# Altium PCB PCB2.PcbDoc (continued)
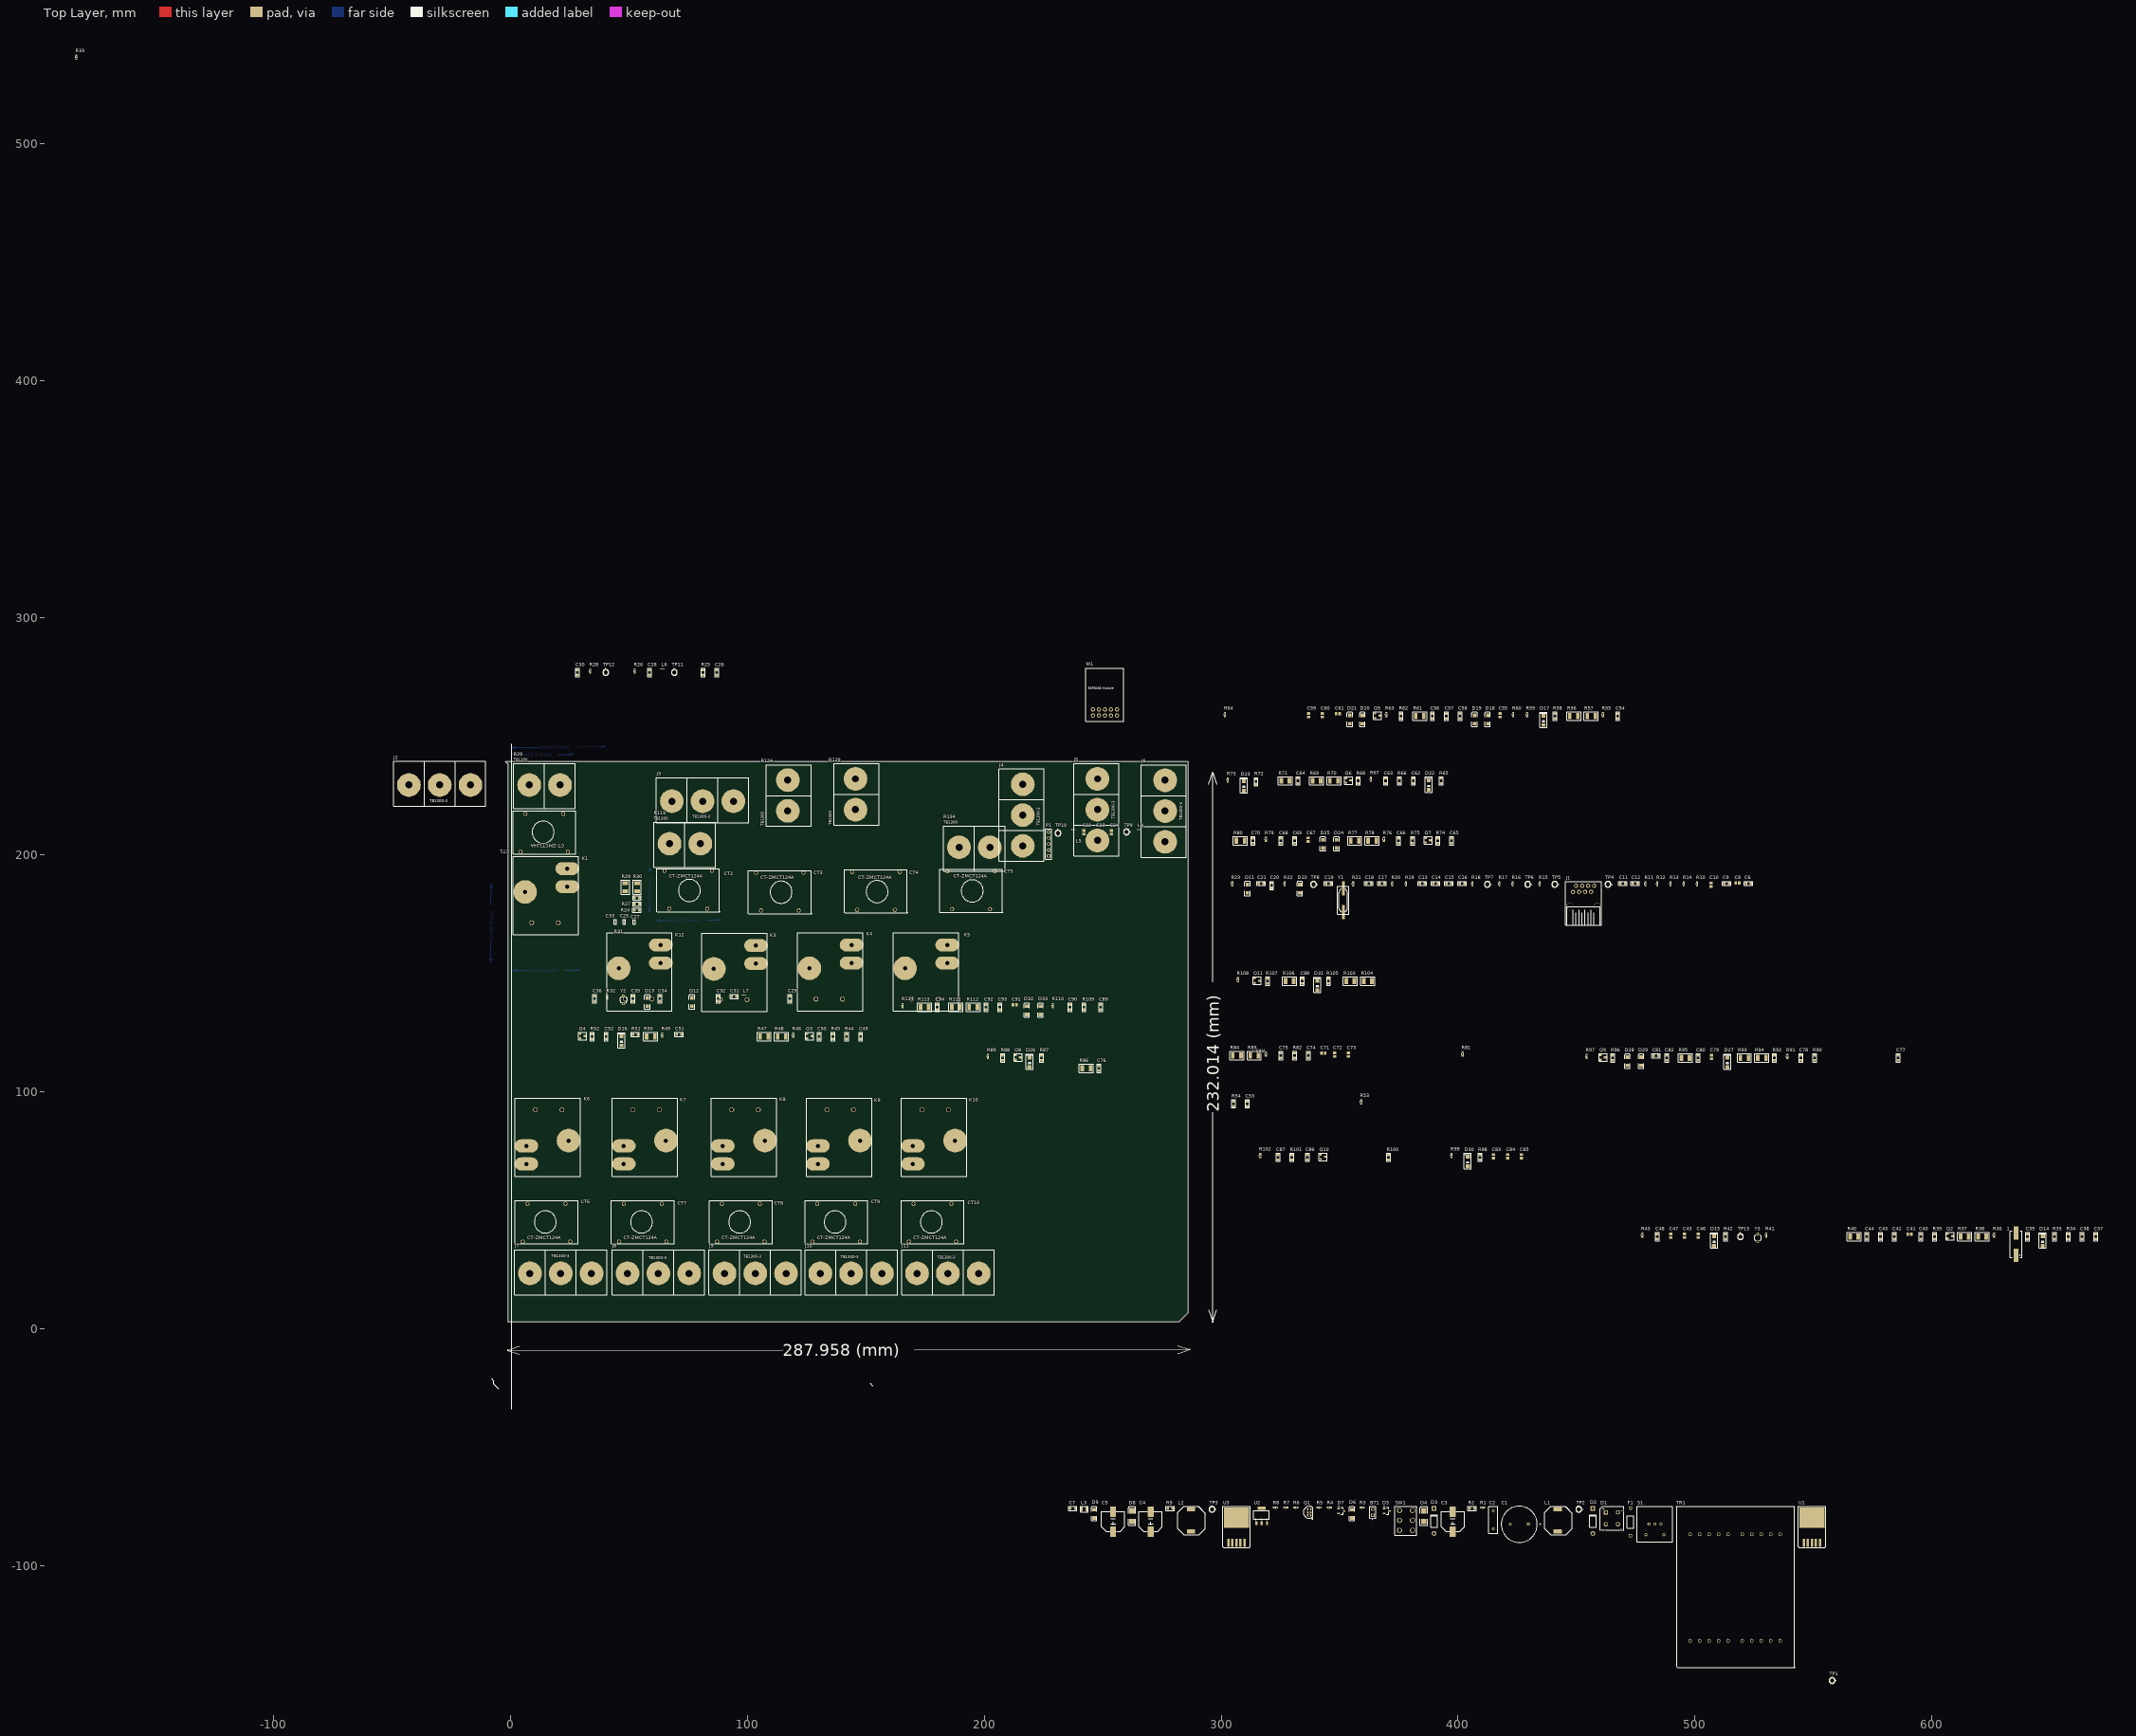
[diagram p0: Top Layer view]
## Components (designator, comment, footprint, x,y, rotation, side; value= is the part's Value field where it differs from the comment) (continued)
R26 "220" J1-0603 52.451,277.622 r90 top
R27 "1K" 0805C-GENERIC 54.229,179.197 r180 top
R28 "1K" J1-0603 33.655,277.622 r90 top
R29 "Comment" TB-1300-0-C 7.955,229.489 r0 top
R29 "453K/1%/ .5W" 1210R-GENERIC 48.514,184.658 r90 top
R30 "45.3K /1%/.5W" 1210C-GENERIC 53.467,184.658 r90 top
R31 "665/.1%/.5W" 0805C-GENERIC 52.705,181.864 r0 top
R32 "1M" J1-0603 40.894,139.954 r90 top
R33 "1K" J1-0603 -183.261,536.702 r90 top
R34 "18.75" 0805R-10 657.606,38.1 r90 top
R35 "470" 0805R-39 651.764,38.1 r90 top
R36 "1K" J1-0603 626.237,39.497 r90 top
R37 "453K/1%/ .5W" 1210R-GENERIC 612.14,38.862 r0 top
R38 "45.3K /1%/.5W" 1210C-GENERIC 619.506,38.862 r0 top
R39 "2K" 0805R-180 601.218,38.1 r90 top
R40 "665/.1%/.5W" 1210C-GENERIC 565.531,38.862 r0 top
R41 "1M" J1-0603 530.098,39.497 r90 top
R42 "470" 0805R-39 512.953,38.1 r90 top
R43 "1K" J1-0603 477.774,39.497 r90 top
R44 "18.75" 0805R-10 141.986,122.555 r90 top
R45 "2K" 0805R-180 136.144,122.555 r90 top
R46 "1K" J1-0603 119.38,123.952 r90 top
R47 "453K/1%/ .5W" 1210R-GENERIC 105.41,123.317 r0 top
R48 "45.3K /1%/.5W" 1210C-GENERIC 112.776,123.317 r0 top
R49 "10k" J1-0603 64.135,123.952 r90 top
R50 "665/.1%/.5W" 1210C-GENERIC 57.531,123.317 r0 top
R51 "470" 0805R-39 51.943,124.206 r0 top
R52 "2K" 0805R-180 34.544,122.555 r90 top
R53 "1K" J1-0603 359.156,95.631 r90 top
R54 "18.75" 0805R-10 305.181,94.234 r90 top
R55 "1K" J1-0603 461.137,259.207 r90 top
R56 "453K/1%/ .5W" 1210R-GENERIC 447.167,258.572 r0 top
R57 "45.3K /1%/.5W" 1210C-GENERIC 454.533,258.572 r0 top
R58 "470" 0805R-39 440.944,257.81 r90 top
R59 "220" J1-0603 429.133,259.207 r90 top
R60 "220" J1-0603 423.291,259.207 r90 top
R61 "665/.1%/.5W" 1210C-GENERIC 382.143,258.572 r0 top
R62 "2K" 0805R-180 375.92,257.81 r90 top
R63 "220" J1-0603 369.697,259.207 r90 top
R64 "1K" J1-0603 301.625,259.207 r90 top
R65 "470" 0805R-39 392.811,230.505 r90 top
R66 "18.75" 0805R-10 375.285,230.505 r90 top
R67 "1K" J1-0603 363.22,231.902 r90 top
R68 "2K" 0805R-180 357.759,230.505 r90 top
R69 "453K/1%/ .5W" 1210R-GENERIC 338.582,231.267 r0 top
R70 "45.3K /1%/.5W" 1210C-GENERIC 345.948,231.267 r0 top
R71 "665/.1%/.5W" 1210C-GENERIC 325.374,231.267 r0 top
R72 "470" 0805R-39 314.706,230.124 r90 top
R73 "1K" J1-0603 302.768,231.521 r90 top
R74 "2K" 0805R-180 391.414,205.232 r90 top
R75 "18.75" 0805R-10 380.746,205.232 r90 top
R76 "1K" J1-0603 368.681,206.629 r90 top
R77 "453K/1%/ .5W" 1210R-GENERIC 354.711,205.994 r0 top
R78 "45.3K /1%/.5W" 1210C-GENERIC 362.077,205.994 r0 top
R79 "220" J1-0603 318.897,206.629 r90 top
R80 "665/.1%/.5W" 1210C-GENERIC 306.451,205.994 r0 top
R81 "1K" J1-0603 401.955,115.951 r90 top
R82 "18.75" 0805R-10 330.962,114.554 r90 top
R83 "1K" J1-0603 318.897,115.951 r90 top
R84 "453K/1%/ .5W" 1210R-GENERIC 304.927,115.316 r0 top
R85 "45.3K /1%/.5W" 1210C-GENERIC 312.293,115.316 r0 top
R86 "665/.1%/.5W" 1210C-GENERIC 241.427,109.855 r0 top
R87 "470" 0805R-39 224.155,113.538 r90 top
R88 "2K" 0805R-180 207.772,113.538 r90 top
R89 "1K" J1-0603 201.549,114.935 r90 top
R90 "18.75" 0805R-10 550.545,113.538 r90 top
R91 "1K" J1-0603 538.988,114.935 r90 top
R92 "470" 0805R-39 533.527,113.538 r90 top
R93 "453K/1%/ .5W" 1210R-GENERIC 519.176,114.3 r0 top
R94 "45.3K /1%/.5W" 1210C-GENERIC 526.542,114.3 r0 top
R95 "665/.1%/.5W" 1210C-GENERIC 494.284,114.3 r0 top
R96 "2K" 0805R-180 465.201,113.538 r90 top
R97 "220" J1-0603 454.279,114.935 r90 top
R98 "470" 0805R-39 409.321,71.628 r90 top
R99 "1K" J1-0603 397.256,73.025 r90 top
R100 "2K" 0805R-180 370.713,71.628 r90 top
R101 "18.75" 0805R-10 329.819,71.628 r90 top
R102 "1K" J1-0603 316.484,73.025 r90 top
R103 "453K/1%/ .5W" 1210R-GENERIC 352.806,146.685 r0 top
R104 "45.3K /1%/.5W" 1210C-GENERIC 360.172,146.685 r0 top
R105 "470" 0805R-39 345.313,145.923 r90 top
R106 "665/.1%/.5W" 1210C-GENERIC 327.152,146.685 r0 top
R107 "2K" 0805R-180 319.659,145.923 r90 top
R108 "1K" J1-0603 307.086,147.32 r90 top
R109 "18.75" 0805R-10 242.069,135.017 r90 top
R110 "1K" J1-0603 228.988,136.414 r90 top
R111 "453K/1%/ .5W" 1210R-GENERIC 186.316,135.779 r0 top
R112 "45.3K /1%/.5W" 1210C-GENERIC 193.682,135.779 r0 top
R113 "665/.1%/.5W" 1210C-GENERIC 173.108,135.779 r0 top
R114 "220" J1-0603 165.488,136.414 r90 top
R119 "Comment" TB-1300-0-C 67.183,204.724 r0 top
R124 "Comment" TB-1300-0-C 117.094,218.567 r90 top
R129 "Comment" TB-1300-0-C 145.669,219.075 r90 top
R134 "Comment" TB-1300-0-C 189.357,203.2 r0 top
S1 "WS-PBTL" 465RG11172501 483.108,-82.423 r0 top
SW1 "Tr-Switch" "Switch 220/110" 375.285,-85.09 r90 top
TP1 "TESTPOINT" TESTPOINT 557.911,-148.463 r0 top
TP2 "TESTPOINT" TESTPOINT 450.977,-76.2 r0 top
TP3 "TESTPOINT" TESTPOINT 296.164,-76.2 r0 top
TP4 "TESTPOINT" TESTPOINT 463.296,187.579 r0 top
TP5 "TESTPOINT" TESTPOINT 440.817,187.579 r0 top
TP6 "TESTPOINT" TESTPOINT 429.387,187.579 r0 top
TP7 "TESTPOINT" TESTPOINT 412.369,187.579 r0 top
TP8 "TESTPOINT" TESTPOINT 338.963,187.579 r0 top
TP9 "TESTPOINT" TESTPOINT 260.096,209.677 r0 top
TP10 "TESTPOINT" TESTPOINT 231.14,209.169 r90 top
TP11 "TESTPOINT" TESTPOINT 69.215,276.987 r90 top
TP12 "TESTPOINT" TESTPOINT 40.259,276.987 r90 top
TP13 "TESTPOINT" TESTPOINT 519.176,38.862 r90 top
TR1 "PU3923B-Tr220-12-2.5A" Transform220/110-12/3 497.967,-86.741 r0 top
U1 "LM2575" TO-263/KTT 549.402,-79.756 r0 top
U2 "LT3092" LT3092 314.833,-82.042 r0 top
U3 "LM2576HV" TO-263/KTT 306.451,-79.756 r0 top
Y1 "25 MHz" XTAL-RU49/4 351.536,175.895 r90 top
Y2 "8Mhz" R38 47.752,138.811 r0 top
Y3 "16Mhz" R38 526.542,38.354 r0 top

## Footprints (in the part's own frame and the unit in brackets; to place one, negate y for a bottom-side part, rotate by r counter-clockwise, add the part's x,y. Pads: shape width x height; smd on the part's side, far side on the other; paste and mask are expansions set on the pad)
3.2X1.6X1.1 [mm] "SMT LED; 2 Flat Leads"
  rect 1.5x1.5 smd: 1(-1.75,0) 2(1.75,0)
  silkscreen extent -2.9,-1.15 3.2,1.15
0402C-GENERIC [mil]
  rect 25x20 smd: 1(0,0) 2(40,0)
  silkscreen extent -21,-19 61,19
0402R-GENERIC [mil]
  rect 25x20 smd: 1(0,0) 2(40,0)
  silkscreen extent -21,-19 61,19, body extent -6,-10 46,10, height 14
465RG11172501 [mm] "Pushbutton Switch illuminated"
  round 1.3 hole 0.8: 1(-3.81,-4.5) 2(3.81,-4.5)
  round 1.3 hole 0.7: L1(-2.54,0) L2(2.54,0) LC(0,0)
  round 0 hole 1.3 unplated: ""(-6.35,-6.35) ""(-6.35,6.35) ""(6.35,-6.35) ""(6.35,6.35)
  silkscreen extent -7.5,-7.5 7.5,7.5, body extent -7.5,-7.5 7.5,7.5, height 19.6
0603 [mm] "Chip Inductor, Body 0.6x0.3mm, IPC High Density"
  rect 0.5x0.3 smd: 1(-0.35,0) 2(0.35,0)
  silkscreen extent -0.9,-0.05 -0.9,0.05, body extent -0.33,-0.18 0.33,0.18, height 0.55
0805C-GENERIC [mil] "CAPACITOR 0805"
  rect 40x50 smd: 1(-10,0) 2(70,0)
  silkscreen extent -40,-35 100,35, body extent -11,-25 70,25, height 26
0805C-TBD [mil] "CAPACITOR 0805"
  rect 40x50 smd: 1(-10,0) 2(70,0)
  silkscreen extent -40,-35 100,35, body extent -11,-25 70,25, height 26
0805R-10 [mil] "RESISTOR 0805"
  rect 40x50 smd: 1(-10,0) 2(70,0)
  silkscreen extent -40,-35 100,35, body extent -11,-25 70,25, height 27
0805R-39 [mil] "RESISTOR 0805"
  rect 40x50 smd: 1(-10,0) 2(70,0)
  silkscreen extent -40,-35 100,35, body extent -11,-25 70,25, height 27
0805R-68 [mil] "RESISTOR 0805"
  rect 40x50 smd: 1(-10,0) 2(70,0)
  silkscreen extent -40,-35 100,35, body extent -11,-25 70,25, height 27
0805R-180 [mil] "RESISTOR 0805"
  rect 40x50 smd: 1(-10,0) 2(70,0)
  silkscreen extent -40,-35 100,35, body extent -11,-25 70,25, height 27
1210C-GENERIC [mil]
  rect 60x100 smd: 1(0,0) 2(135,0)
  silkscreen extent -50,-70 185,70, body extent -10,-50 145,50, height 46
1210R-GENERIC [mil]
  rect 60x100 smd: 1(0,0) 2(135,0)
  silkscreen extent -50,-70 185,70
BAT-2 [mm] "Battery; 2 Leads"
  rect 1.5x1.5 hole 0.9: 1(-1.27,0)
  round 1.5 hole 0.9: 2(1.27,0)
  silkscreen extent -2.54,-1.27 2.54,1.27
C0805 [mm] "Chip Capacitor, Body 2.0x1.3mm, IPC High Density"
  rect 1.1x1.4 smd: 1(-0.75,0) 2(0.75,0)
  body extent -1.1,-0.72 1.1,0.72, height 1.4
CT-ZMCT124 [mm] "current transformer"
  round 1.7 hole 1.2: 1(0,0) 2(16,0) 3(-2,-16) 4(18,-16)
  silkscreen extent -5.38,-16.9 21.28,1.32
D-38 [mm] "Bridge Rectifier; 4 Terminals; Body 9.4 x 9.4 mm (typ); Pitch 5.08 mm"
  rect 1.8x1.8 hole 1.2: 1(-2.54,2.54)
  round 1.8 hole 1.2: 2(-2.54,-2.54) 3(2.54,-2.54) 4(2.54,2.54)
  silkscreen extent -5,-5 5,5, body extent -5,-5 5,5, height 9.91
DO-41 [mm] "Diode, Axial; Body 5.2 x 2.7 mm (LxDia. max), Lead Dia. 0.86 mm (max)"
  round 2 hole 1.2: 1(-5.23,0)
  rect 2x2 hole 1.2: 2(5.23,0)
  silkscreen extent -2.65,-1.4 2.75,1.4
DO-214AC [mm] "SMD 1N4001"
  rect 1.55x1.67 smd: 1(0,0) 2(3.925,-0.025)
  silkscreen extent -1,-1.5 5.5,1.5
ESP_1 [mil]
  round 70 hole 40: 1(0,0) 2(100,0) 3(200,0) 4(300,0) 5(400,0) 6(0,100) 7(100,100) 8(200,100) 9(300,100) 10(400,100)
  silkscreen extent -118,-98 512,787
HC49/4H_SMX [mm] "Quartz Crystal, SM; Body 13.4 (inc. leads) x 4.9 mm (LxW max)"
  rect 5.5x2 smd: 1(-4.75,0) 2(4.75,0)
  silkscreen extent -5.7,-2.45 5.7,2.45
HDR1X5 [mm] "Connector; Header; 5 Position"
  rect 1.5x1.5 hole 0.9: 1(0,0)
  round 1.5 hole 0.9: 2(2.54,0) 3(5.08,0) 4(7.62,0) 5(10.16,0)
  silkscreen extent -1.27,-1.27 11.43,1.27
J1-0603 [mm] "Chip Resistor, Body 1.6x0.8mm, IPC High Density"
  rect 0.7x0.9 smd: 1(-0.75,0) 2(0.75,0)
  silkscreen extent -0.2,-0.35 0.2,0.35, body extent -0.85,-0.48 0.85,0.48, height 0.9
JQX-16f [mm] "power relay"
  round 10 hole 1.8: 1(14,-13)
  oval 10x5.5 hole 1.8: 2(-3.8,-22.84) 3(-3.8,-15.24)
  round 2 hole 1.5: 4(11.2,0) 5(0,0)
  silkscreen extent -8.6,-28 19,5
LT3092 [mil]
  rect 39x59 all layers, no hole: 1(0,0) 2(90,0) 3(180,0)
  rect 129x59 all layers, no hole: 4(90,248)
  silkscreen extent -43,47 213,205
PIN-W2/E2.8 [mm] "Thru-Hole; 2 Leads"
  rect 1.5x1.5 hole 0.9: 1(-5.825,0)
  round 1.5 hole 0.9: 2(5.825,0)
  silkscreen extent -2.65,-1.4 2.65,1.4
PolCap1010 [mm] "Pol Cap 10x10x10"
  rect 2.5x4.4 smd: 1(0,-8.4) 2(0,0)
  silkscreen extent -4.9,-8.3 4.9,0
PowerInductor [mm]
  rect 3.56x1.78 all layers, no hole: 1(0,0) 2(0,9.4)
  silkscreen extent -5.6,-1.4 6.1,10.6
R38 [mm] "Crystal, Thru-Hole; 2 Leads; Body 3.1 x 8.2 mm (Dia.xH)"
  round 1.3 hole 0.7: 1(0,1.55) 2(0,-1.55)
  silkscreen extent -1.55,-1.19 1.55,1.17
RAD-0.3 [mm] "Radial Cap, Thru-Hole; 2 Leads; 0.3 in Pin Spacing"
  round 1.2 hole 0.7: 1(-3.81,0) 2(3.81,0)
  silkscreen extent -5.71,-1.91 5.71,1.91
RB7.6-15 [mm] "Polarized Capacitor (Radial); 2 Leads"
  rect 1.2x1.2 hole 0.7: 1(3.81,0)
  round 1.2 hole 0.7: 2(-3.81,0)
  silkscreen extent -7.62,-7.62 7.62,7.62
RJ45-8/8 [mil]
  round 70 hole 40: 1(-100,350) 2(1,300) 3(-99,250) 4(0,200) 5(-99,150) 6(1,100) 7(-99,50) 8(0,0)
  round 110 hole 110 unplated: A(-340,-55) B(-340,405)
  silkscreen extent -650,-125 75,475
SMB [mm] "DO-214-AA/SMB; 2 C-Bend Leads; Body 5.3 x 3.6 mm, inc. leads (LxW)"
  rect 2.3x2.3 smd: 1(-2.25,0) 2(2.25,0)
  silkscreen extent -3.8,-1.55 4.1,1.55
SOT23-BCE [mil]
  rect 36x36 smd: B(0,0) E(0,-75)
  rect 50x36 smd: C(80,-38)
  silkscreen extent -25,-100 110,25, body extent -3,-95 94,20, height 41
SOT-23_N [mm] "SOT23, 3-Leads, Body 2.9x1.3mm, Pitch 0.95mm, Lead Span 2.5mm, IPC Medium Density"
  rect 1.15x0.6 smd: 1(-1.125,0.95) 2(-1.125,-0.95) 3(1.125,0)
  silkscreen extent -1.25,-1.5 0.7,1.92, body extent -0.7,-1.5 0.7,1.5, height 1.1
"Switch 220/110" [mm]
  round 2.2 hole 1.5: 1(0,-5.5) 2(4.2,-5.5) 3(8.4,-5.5) 4(8.4,0) 5(4.2,0) 6(0,0)
  silkscreen extent -2.1,-7.2 10.1,1.9
TB-1300-0-C [mm] "terminal block"
  round 10 hole 3: 1(0,0) 2(13,0)
  silkscreen extent -6.5,-10 19.5,9
TB_1300-0-c-3pins [mm]
  round 10 hole 3: 1(0,0) 2(13,0) 2(26,0)
  silkscreen extent -6.5,-10 32.5,9
TESTPOINT [mil]
  round 90 hole 65: 1(0,0)
  silkscreen extent -50,-50 70,50, body extent -54,-52 54,52, height 254
TO-92A [mm] "TO, Flat Index; 3 In-Line, Axial Leads; Body Dia. 4.5mm; Leads 0.51 x 0.48 mm (max)"
  oval 2x1 hole 0.9: 1(0,-1.27) 2(0,0) 3(0,1.27)
  silkscreen extent -2.48,-2.95 1.5,2.48, body extent -2.5,-2.5 1.5,2.5, height 6.86
TO-263/KTT [mm] "TO-263/KTT5 pins"
  rect 1x3.4 smd: 1(-3.4,-10.6) 2(-1.7,-10.6) 3(0,-10.6) 4(1.7,-10.6) 5(3.4,-10.6)
  rect 10.7x8.6 smd: ""(0,0)
  silkscreen extent -5.7,-12.6 5.8,4.7
TOKO-DFE252012C-1U [mm] "TOKO INDUCTOR DFE252012 SERIES"
  rect 0.7x2 smd mask+0.051: 1(-3.3,1) 2(-1.3,1)
  silkscreen extent -3.9,-0.2 -0.7,2.2, body extent -3.55,0 -1.05,2, height 1.21
Transform220/110-12/3 [mm]
  round 1.524 hole 2.6: 1(-2,-53.75) 1(-2,8.75) 1(40,-53.75) 1(40,8.25)
  round 1.524 hole 0.9: 1(38,0) 2(34,0) 3(30,0) 4(26,0) 5(22,0) 6(16,0) 7(12,0) 8(8,0) 9(4,0) 10(0,0) 10(38,-45) 11(0,-45) 12(4,-45) 13(8,-45) 14(12,-45) 15(16,-45) 16(22,-45) 17(26,-45) 18(30,-45) 18(34,-45)
  silkscreen extent -5.9,-56.2 44.2,11.7
XTAL-RU49/4 [mil]
  rect 240x47.24 smd: 1(0,0) 2(390,0)
  silkscreen extent -35,-90 425,95, body extent -78,-90 468,95, height 120

## Part data
BT1: library part Battery, "Multicell Battery"
C1: library part "Cap Pol1", "Polarized Capacitor (Radial)"
C2: library part Cap, "Capacitor"
C3 C4 C5: library part 94SS685X0016ABP, "Solid Aluminum Capacitor with Organic Semiconductor Electrolyte: 6.8uF, 16V, Bulk Pack"
C6 C7 C9 C11 C12 C13 C14 C15 C16 C17 C18 C19 C20 C21 C25 C26 C27 C28 C29 C30 C31 C32 C33 C34 C35 C36 C37 C38 C39 C40 C42 C43 C44 C48 C49 C50 C51 C52 C53 C54 C56 C57 C58 C62 C63 C64 C65 C66 C68 C69 C70 C74 C75 C76 C77 C78 C80 C81 C82 C86 C87 C88 C89 C90 C92 C93 C94: library part 0805C-18PF-50V-C0G-JOH, "CAPACITOR 0805 CERAMIC"
C8 C10 C22 C23 C24 C41 C45 C46 C47 C55 C59 C60 C61 C67 C71 C72 C73 C79 C83 C84 C85 C91: library part "Cap Pol3", "Polarized Capacitor (Surface Mount)"
D1: library part Bridge1, "Full Wave Diode Bridge"
D2 D3: library part "Diode 1N4007", "1 Amp General Purpose Rectifier"
D4 D8: library part "D Schottky", "Schottky Diode"
D5 D7: library part "Diode BAS116", "Silicon Low Leakage Diode"
D6 D9 D10 D11 D12 D13 D18 D19 D20 D21 D24 D25 D28 D29 D32 D33: "Typical RED, GREEN, YELLOW, AMBER GaAs LED"
D14 D15 D16 D17 D22 D23 D26 D27 D30 D31: library part "Diode 1N4001", "1 Amp General Purpose Rectifier"
F1: library part "Fuse 2", "Fuse"
J1: "GENERIC RJ45 CONNECTOR 8 PIN"
J2 J3 J4 J5 J6 J7 J8 J9 J10 J11: library part TermBlock-2
K1 K3 K4 K5 K6 K7 K8 K9 K10 K12: library part Relay-SPDT, "Single-Pole Dual-Throw Relay"
L1 L2: library part Inductor, "Inductor"
L3: library part 1U-1239AS-TOKO, "1239AS-H-1R0N"
L4 L5 L6 L7: library part FerrBeads/ILBB
M1: library part "ESP 8266"
P1: "Header, 5-Pin"
Q1: "NPN General Purpose Amplifier"
Q2 Q3 Q4 Q5 Q6 Q7 Q8 Q9 Q10 Q11: "BC847 SMALL SIGNAL NPN TRANSISTOR"
R1 R2 R3 R4 R5 R6 R7 R8 R9 R10 R11 R12 R13 R14 R15 R16 R17 R18 R19 R20 R21 R22 R23 R24 R25 R26 R27 R28 R29 R30 R31 R32 R33 R34 R35 R36 R37 R38 R39 R40 R41 R42 R43 R44 R45 R46 R47 R48 R49 R50 R51 R52 R53 R54 R55 R56 R57 R58 R59 R60 R61 R62 R63 R64 R65 R66 R67 R68 R69 R70 R71 R72 R73 R74 R75 R76 R77 R78 R79 R80 R81 R82 R83 R84 R85 R86 R87 R88 R89 R90 R91 R92 R93 R94 R95 R96 R97 R98 R99 R100 R101 R102 R103 R104 R105 R106 R107 R108 R109 R110 R111 R112 R113 R114: library part Res3, "Resistor"
S1: library part "WS-PBTL, 465RG11172501", "WS-PBTL Illuminated THT Push button Switch"
TP1 TP2 TP3 TP4 TP5 TP6 TP7 TP8 TP9 TP10 TP11 TP12 TP13: "TESTPOINT SCOPE GRABBER"
U3: library part LM2575
Y1: library part CRYSTAL-GENERIC, "GENERIC CRYSTAL"
Y2 Y3: library part XTAL, "Crystal Oscillator"

## Nets (pads, with @x,y where several pads share a name; then routed paths per layer and width w, separated by ;. In a path a pad name is that pad's centre, name@x,y a point inside that pad or via, vN(x,y) a via of type N, cw(c..) or ccw(c..) an arc to the next point about the centre after c; other vN are vias at no path point)
A: C25.1 C27.2 C33.1 C37.1 C39.2 C42.1 C49.1 C50.2 C51.1 C53.1 C54.2 C56.1 C62.1 C63.2 C64.1 C65.1 C66.2 C70.1 C74.1 C75.2 C76.1 C77.1 C78.2 C80.1 C86.1 C87.2 C88.1 C89.1 C90.2 C94.1 L7.2 R31.2 R40.2 R50.2 R61.2 R71.2 R80.2 R86.2 R106.2 R113.2
GND: BT1.2 C1.2 C2.2 C3.2 C4.2 C5.2 C6.2 C7.2 C8.2 C9.2 C10.2 C11.2 C12.2 C13.2 C14.2 C15.2 C16.2 C17.2 C18.2 C19.2 C20.2 C21.2 C22.2 C24.2 C26.2 C28.2 C29.2 C30.1 C31.2 C32.2 C34.2 C35.2 C36.2 C38.2 C40.2 C41.2 C43.1 C44.1 C45.2 C47.2 C48.2 C52.1 C55.2 C57.1 C58.1 C59.2 C61.2 C67.2 C68.1 C69.1 C71.2 C73.2 C79.2 C81.1 C82.1 C83.2 C85.2 C91.2 C92.1 C93.1 D1.3 D4.1 D6.2 D8.1 D9.2 D20.2 D21.2 J1.4 J1.5 J1.7 J1.8 M1.5 P1.5 R4.1 R8.2 R21.1 U1.3 U1.5 U3.3 U3.5
NetBT1_1: BT1.1 D3.1 R3.2 R6.2 R7.2
NetC1_1: C1.1 C2.1 D1.1 D2.1 R1.2
NetC5_1: C5.1 D2.2 D3.2 U1.1 U3.1
NetC6_1: C6.1 C7.1 C8.1 L3.2 R11.2 R12.2 R13.2 R14.2
NetC11_1: C11.1 C12.1
NetC13_1: C13.1 R11.1 TP4.1
NetC14_1: C14.1 R12.1 TP5.1
NetC15_1: C15.1 R13.1 TP6.1
NetC16_1: C16.1 R14.1 TP7.1
NetC17_1: C17.1
NetC19_1: C19.1 R20.1
NetC20_1: C20.1 TP8.1 Y1.2
NetC21_1: C21.1 Y1.1
NetC22_1: C22.1 TP10.1
NetC23_2: C23.2
NetC24_1: C24.1 TP9.1
NetC25_2: C25.2 R24.1
NetC27_1: C27.1 R27.1
NetC32_1: C32.1 R32.2 Y2.2
NetC33_2: C33.2 R30.1 R31.1
NetC36_1: C36.1
NetC37_2: C37.2 R33.1
NetC38_1: C38.1 R32.1 Y2.1
NetC39_1: C39.1 R36.1
NetC40_1: C40.1 R41.2 Y3.2
NetC41_1: C41.1
NetC42_2: C42.2 R38.1 R40.1
NetC43_2: C43.2
NetC44_2: C44.2
NetC45_1: C45.1
NetC46_2: C46.2
NetC47_1: C47.1
NetC48_1: C48.1 R41.1 TP13.1 Y3.1
NetC49_2: C49.2 R43.1
NetC50_1: C50.1 R46.1
NetC51_2: C51.2 R48.1 R50.1
NetC52_2: C52.2 P1.4 R49.1
NetC53_2: C53.2 R53.1
NetC54_1: C54.1 R55.1
NetC55_1: C55.1
NetC56_2: C56.2 R57.1 R61.1
NetC57_2: C57.2
NetC58_2: C58.2
NetC59_1: C59.1
NetC60_2: C60.2
NetC61_1: C61.1
NetC62_2: C62.2 R64.1
NetC63_1: C63.1 R67.1
NetC64_2: C64.2 R70.1 R71.1
NetC65_2: C65.2 R73.1
NetC66_1: C66.1 R76.1
NetC67_1: C67.1
NetC68_2: C68.2
NetC69_2: C69.2
NetC70_2: C70.2 R78.1 R80.1
NetC71_1: C71.1
NetC72_2: C72.2
NetC73_1: C73.1
NetC74_2: C74.2 R81.1
NetC75_1: C75.1 R83.1
NetC76_2: C76.2 R85.1 R86.1
NetC77_2: C77.2 R89.1
NetC78_1: C78.1 R91.1
NetC79_1: C79.1
NetC80_2: C80.2 R94.1 R95.1
NetC81_2: C81.2
NetC82_2: C82.2
NetC83_1: C83.1
NetC84_2: C84.2
NetC85_1: C85.1
NetC86_2: C86.2 R99.1
NetC87_1: C87.1 R102.1
NetC88_2: C88.2 R104.1 R106.1
NetC89_2: C89.2 R108.1
NetC90_1: C90.1 R110.1
NetC91_1: C91.1
NetC92_2: C92.2
NetC93_2: C93.2
NetC94_2: C94.2 R112.1 R113.1
NetCT1_1: CT1.1 L4.1 R25.2
NetCT1_2: CT1.2 L6.1 R25.1
NetCT1_3: K1.2 R29.2@48.514,188.087
NetCT1_4: J2.2
NetCT2_1: CT2.1 R34.2
NetCT2_2: CT2.2 R34.1
NetCT2_3: CT2.3 K12.2 R37.2
NetCT2_4: CT2.4 J3.2
NetCT3_1: CT3.1 R44.2
NetCT3_2: CT3.2 R44.1
NetCT3_3: CT3.3 K3.2 R47.2
NetCT3_4: CT3.4 J4.2
NetCT4_1: CT4.1 R54.2
NetCT4_2: CT4.2 R54.1
NetCT4_3: CT4.3 K4.2 R56.2
NetCT4_4: CT4.4 J5.2
NetCT5_1: CT5.1 R66.2
NetCT5_2: CT5.2 R66.1
NetCT5_3: CT5.3 K5.2 R69.2
NetCT5_4: CT5.4 J6.2
NetCT6_1: CT6.1 R75.2
NetCT6_2: CT6.2 R75.1
NetCT6_3: CT6.3 K6.2 R77.2
NetCT6_4: CT6.4 J7.2
NetCT7_1: CT7.1 R82.2
NetCT7_2: CT7.2 R82.1
NetCT7_3: CT7.3 K7.2 R84.2
NetCT7_4: CT7.4 J8.2
NetCT8_1: CT8.1 R90.2
NetCT8_2: CT8.2 R90.1
NetCT8_3: CT8.3 K8.2 R93.2
NetCT8_4: CT8.4 J9.2
NetCT9_1: CT9.1 R101.2
NetCT9_2: CT9.2 R101.1
NetCT9_3: CT9.3 K9.2 R103.2
NetCT9_4: CT9.4 J10.2
NetCT10_1: CT10.1 R109.2
NetCT10_2: CT10.2 R109.1
NetCT10_3: CT10.3 K10.2 R111.2
NetCT10_4: CT10.4 J11.2
NetD1_2: D1.2 TR1.12
NetD1_4: D1.4 TP1.1 TR1.14 TR1.17
NetD4_2: D4.2 L1.1 U1.2
NetD5_1: D5.1 R1.1
NetD5_3: D5.3 D7.1
NetD6_1: D6.1 R2.2
NetD7_3: D7.3 Q1.3
NetD8_2: D8.2 L2.1 U3.2
NetD9_1: D9.1 R9.2
NetD10_1: D10.1 R22.2
NetD10_2: D10.2
NetD11_1: D11.1 R23.2
NetD11_2: D11.2
NetD12_1: D12.1 D13.1 R26.1
NetD12_2: D12.2
NetD13_2: D13.2
NetD14_1: D14.1 K1.5 Q2.C
NetD15_1: D15.1 K12.5 Q3.C
NetD16_1: D16.1 K3.5 Q4.C
NetD17_1: D17.1 K4.5 Q5.C
NetD18_1: D18.1 D19.1 R63.1
NetD18_2: D18.2
NetD19_2: D19.2
NetD20_1: D20.1 R60.1
NetD21_1: D21.1 R59.1
NetD22_1: D22.1 K5.5 Q6.C
NetD23_1: D23.1 K6.5 Q7.C
NetD24_1: D24.1 D25.1 R79.1
NetD24_2: D24.2
NetD25_2: D25.2
NetD26_1: D26.1 K7.5 Q8.C
NetD27_1: D27.1 K8.5 Q9.C
NetD28_1: D28.1 D29.1 R97.1
NetD28_2: D28.2
NetD29_2: D29.2
NetD30_1: D30.1 K9.5 Q10.C
NetD31_1: D31.1 K10.5 Q11.C
NetD32_1: D32.1 D33.1 R114.1
NetD32_2: D32.2
NetD33_2: D33.2
NetF1_1: F1.1 J8.1
NetF1_2: F1.2 S1.1
NetJ1_1: J1.1
NetJ1_2: J1.2
NetJ1_3: J1.3
NetJ1_6: J1.6
NetJ2_1: J2.1 L5.1
NetJ2_3: L7.1
NetJ3_1: J3.1
NetJ3_3: 
NetJ4_1: J4.1
NetJ4_3: 
NetJ5_1: J5.1
NetJ5_3: 
NetJ6_1: J6.1
NetJ6_3: 
NetJ7_1: J7.1
NetJ7_3: 
NetJ8_3: SW1.1 TR1.6
NetJ9_1: J9.1
NetJ9_3: 
NetJ10_1: J10.1
NetJ10_3: 
NetJ11_1: J11.1
NetJ11_3: 
NetK1_1: K1.1 L5.2
NetK3_1: K3.1
NetK5_1: K5.1
NetK6_1: K6.1
NetK7_1: K7.1
NetK8_1: K8.1
NetK9_1: K9.1
NetK10_1: K10.1
NetK12_1: K12.1
NetL4_2: L4.2 R24.2
NetL6_2: L6.2 R27.2
NetL8_2: R33.2
NetL10_2: R36.2
NetL13_2: R43.2
NetL14_2: R46.2
NetL16_2: 
NetL17_2: R53.2
NetL18_2: R55.2
NetL21_2: R64.2
NetL22_2: R67.2
NetL25_2: R73.2
NetL26_2: R76.2
NetL29_2: R81.2
NetL30_2: R83.2
NetL32_2: R89.2
NetL34_2: R91.2
NetL36_2: R99.2
NetL38_2: R102.2
NetL40_2: R108.2
NetL42_2: R110.2
NetM1_7: M1.7 TP12.1
NetM1_8: M1.8 TP11.1
NetM2_2: 
NetM2_3: 
NetM2_4: 
NetM2_5: 
NetM2_6: 
NetM2_7: 
NetM2_8: 
NetP1_2: P1.2
NetP1_3: P1.3
NetQ1_1: Q1.1 U2.3
NetQ1_2: Q1.2 R5.1 R8.1
NetQ2_B: Q2.B R35.2 R39.2
NetQ3_B: Q3.B R42.2 R45.2
NetQ4_B: Q4.B R51.2 R52.2
NetQ5_B: Q5.B R58.2 R62.2
NetQ6_B: Q6.B R65.2 R68.2
NetQ7_B: Q7.B R72.2 R74.2
NetQ8_B: Q8.B R87.2 R88.2
NetQ9_B: Q9.B R92.2 R96.2
NetQ10_B: Q10.B R98.2 R100.2
NetQ11_B: Q11.B R105.2 R107.2
NetR3_1: R3.1 R4.2
NetR5_2: R5.2
NetR6_1: R6.1 U2.2
NetR7_1: R7.1 U2.1
NetR10_1: R10.1
NetR15_1: R15.1
NetR15_2: R15.2
NetR16_1: R16.1
NetR16_2: R16.2
NetR17_1: R17.1
NetR17_2: R17.2
NetR18_1: R18.1
NetR18_2: R18.2
NetR19_2: R19.2
NetR21_2: R21.2
NetR28_1: R28.1
NetR29_1: R29.1@48.514,184.658 R30.2
NetR35_1: R35.1
NetR37_1: R37.1 R38.2
NetR42_1: R42.1
NetR47_1: R47.1 R48.2
NetR51_1: R51.1
NetR56_1: R56.1 R57.2
NetR58_1: R58.1
NetR59_2: R59.2
NetR60_2: R60.2
NetR65_1: R65.1
NetR69_1: R69.1 R70.2
NetR72_1: R72.1
NetR77_1: R77.1 R78.2
NetR84_1: R84.1 R85.2
NetR87_1: R87.1
NetR92_1: R92.1
NetR93_1: R93.1 R94.2
NetR98_1: R98.1
NetR103_1: R103.1 R104.2
NetR105_1: R105.1
NetR111_1: R111.1 R112.2
NetS1_2: S1.2 SW1.5 TR1.1
NetSW1_2: SW1.2 SW1.3 TR1.9
NetSW1_4: SW1.4 SW1.6 TR1.4
NetU4_13: 
NetU4_16: 
NetU4_17: 
NetU4_18: 
NetU5_1: 
NetU5_29: 
NetU5_30: 
NetU5_31: 
NetU5_32: 
NetU6_11: 
NetU6_12: 
NetU6_14: 
NetU6_17: 
NetU6_27: 
NetU6_62: 
NetU7_1: 
NetU9_1: 
NetU10_1: 
NetU11_29: 
OUT-GND: Q2.E Q3.E Q4.E Q5.E Q6.E Q7.E Q8.E Q9.E Q10.E Q11.E R39.1 R45.1 R52.1 R62.1 R68.1 R74.1 R88.1 R96.1 R100.1 R107.1
VCC=3.3V: C3.1 C18.1 C23.1 C26.1 C28.1 C29.1 C30.2 C31.1 C34.1 C35.1 C46.1 C60.1 C72.1 C84.1 L1.2 M1.6 P1.1 R2.1 R20.2 R22.1 R23.1 R26.2 R28.2 R49.2 R63.2 R79.2 R97.2 R114.2 TP2.1 U1.4
VCC=5.0V: D14.2 D15.2 D16.2 D17.2 D22.2 D23.2 D26.2 D27.2 D30.2 D31.2 K1.4 K3.4 K5.4 K6.4 K7.4 K8.4 K9.4 K10.4 K12.4
VCC=5V/3A: C4.1 L2.2 R9.1 TP3.1 U3.4
VDD=3.3V: C9.1 C10.1 L3.1 R10.2
pads on no net: 1.1 1.2 CT1.3 CT1.4 D5.2 D7.2 J1.A J1.B K1.3 K3.3 K4.1 K4.3 K4.4 K5.3 K6.3 K7.3 K8.3 K9.3 K10.3 K12.3 M1.1 M1.2 M1.3 M1.4 M1.9 M1.10 R19.1 R29.1@7.955,229.489 R29.2@20.955,229.489 R95.2 R119.1 R119.2 R124.1 R124.2 R129.1 R129.2 R134.1 R134.2 S1. S1.L1 S1.L2 S1.LC TR1.2 TR1.3 TR1.5 TR1.7 TR1.8 TR1.10 TR1.11 TR1.13 TR1.15 TR1.16 TR1.18 U1. U2.4 U3.
copper on no net: | length 122.6
  Bottom Layer w0.254: -8.757,156.212 -8.255,154.686 ; -8.642,186.057 -8.128,187.579 ; -8.509,154.687 -8.001,154.685 ; -8.382,187.58 -7.874,187.578 ; -8.222,163.109 -8.255,154.686 ; -8.161,179.156 -8.128,187.579 ; -7.741,156.208 -8.255,154.686 ; -7.626,186.053 -8.128,187.579 ; 0.633,245.618 0.637,245.11 ; 0.889,242.189 0.889,242.697 ; 1.142,151.511 1.144,151.003 ; 2.154,245.887 0.635,245.364 ; 2.164,244.871 0.635,245.364 ; 2.413,241.935 0.889,242.443 ; 2.413,242.951 0.889,242.443 ; 2.665,151.772 1.143,151.257 ; 2.669,150.756 1.143,151.257 ; 7.089,242.443 0.889,242.443 ; 7.153,151.284 1.143,151.257 ; 12.233,245.477 0.635,245.364 ; 20.089,242.443 26.289,242.443 ; 22.946,151.357 28.956,151.384 ; 24.765,241.935 26.289,242.443 ; 24.765,242.951 26.289,242.443 ; 26.289,242.189 26.289,242.697 ; 27.43,151.885 28.956,151.384 ; 27.434,150.869 28.956,151.384 ; 28.28,245.632 39.878,245.745 ; 28.955,151.638 28.957,151.13 ; 38.349,246.238 39.878,245.745 ; 38.359,245.222 39.878,245.745 ; 39.876,245.999 39.88,245.491 ; 58.187,177.553 58.674,176.022 ; 58.399,192.92 58.928,194.437 ; 58.42,176.026 58.928,176.018 ; 58.674,194.441 59.182,194.433 ; 58.694,177.46 58.674,176.022 ; 58.908,192.999 58.928,194.437 ; 59.203,177.539 58.674,176.022 ; 59.415,192.906 58.928,194.437 ; 61.847,172.593 61.851,172.085 ; 63.368,172.862 61.849,172.339 ; 63.378,171.846 61.849,172.339 ; 67.16,172.39 61.849,172.339 ; 82.954,172.542 88.265,172.593 ; 86.736,173.086 88.265,172.593 ; 86.746,172.07 88.265,172.593 ; 88.263,172.847 88.267,172.339

## Other copper
Bottom Layer:
  text "39.245 (mm)" at 12.496,244.565 h1.52 r0.56
  text "25.4 (mm)" at 7.343,241.529 h1.52
  text "18.417 (mm)" at 59.611,177.702 h1.52 r89.21
  text "26.417 (mm)" at 67.423,171.478 h1.52 r0.55
  text "32.893 (mm)" at -7.307,163.359 h1.52 r89.78
  text "27.813 (mm)" at 7.411,150.371 h1.52 r0.26

## Silkscreen, mask and mechanical layers (free items; w line width, h text height)
Top Overlay:
  lines w0.254: -8.128,-20.955 -6.985,-22.098 -6.985,-23.368 -4.953,-25.4 ; -1.319,-8.814 -1.319,-9.322 ; 0.508,-33.909 0.508,246.761 ; 3.679,-7.396 -1.319,-9.068 ; 3.683,-10.729 -1.319,-9.068 ; 114.763,-8.945 -1.319,-9.068 ; 151.765,-22.987 152.908,-24.13 ; 170.558,-8.886 286.639,-8.763 ; 281.637,-7.102 286.639,-8.763 ; 281.641,-10.435 286.639,-8.763 ; 286.639,-9.017 286.639,-8.509 ; 294.746,7.787 296.412,2.787 ; 294.761,229.801 296.428,234.801 ; 296.158,2.787 296.666,2.787 ; 296.174,234.801 296.682,234.801 ; 296.418,91.313 296.412,2.787 ; 296.422,146.275 296.428,234.801 ; 298.079,7.787 296.412,2.787 ; 298.094,229.801 296.428,234.801
  text "232.014 (mm)" at 299.07,91.567 h5 r90
  text "287.958 (mm)" at 115.019,-11.596 h5 r0.06

## Text inside footprints (layer, text, board x,y; h text height)
BT1: Top Overlay "+" at 364.559,-81.14 h1.15 r90
C1: Top Overlay "+" at 433.963,-83.287 h1.5
CT1: Top Overlay "CT-ZMCT124A" at 22.701,204.536 h1.52 r180
CT2: Top Overlay "CT-ZMCT124A" at 66.897,190.305 h1.52
CT3: Top Overlay "CT-ZMCT124A" at 105.63,189.672 h1.52
CT4: Top Overlay "CT-ZMCT124A" at 146.905,189.799 h1.52
CT5: Top Overlay "CT-ZMCT124A" at 187.071,190.373 h1.52
CT6: Top Overlay "CT-ZMCT124A" at 7.141,37.644 h1.52
CT7: Top Overlay "CT-ZMCT124A" at 47.747,37.644 h1.52
CT8: Top Overlay "CT-ZMCT124A" at 89.183,37.644 h1.52
CT9: Top Overlay "CT-ZMCT124A" at 129.442,37.644 h1.52
CT10: Top Overlay "CT-ZMCT124A" at 170.082,37.644 h1.52
D1: Top Overlay "+" at 460.537,-76.846 h1.5; Top Overlay "-" at 468.503,-85.09 h1.5; Top Overlay "~" at 460.375,-85.598 h1.5; Top Overlay "~" at 468.503,-77.47 h1.5
J2: Top Overlay "TB1300-3" at -34.036,222.25 h1.22
J3: Top Overlay "TB1300-3" at 76.835,215.519 h1.22
J4: Top Overlay "TB1300-3" at 223.394,212.298 h1.22 r90
J5: Top Overlay "TB1300-3" at 255.017,215.092 h1.22 r90
J6: Top Overlay "TB1300-3" at 283.718,214.538 h1.22 r90
J7: Top Overlay "TB1300-3" at 17.399,30.099 h1.22
J8: Top Overlay "TB1300-3" at 58.293,29.337 h1.22
J9: Top Overlay "TB1300-3" at 98.425,29.972 h1.22
J10: Top Overlay "TB1300-3" at 139.446,29.718 h1.22
J11: Top Overlay "TB1300-3" at 180.34,29.464 h1.22
M1: Top Overlay "ESP8266 Module" at 243.872,269.826 h1
R29: Top Overlay "TB1300" at 1.455,239.489 h1.22
R119: Top Overlay "TB1300" at 60.683,214.724 h1.22
R124: Top Overlay "TB1300" at 107.094,212.067 h1.22 r90
R129: Top Overlay "TB1300" at 135.669,212.575 h1.22 r90
R134: Top Overlay "TB1300" at 182.857,213.2 h1.22